# Altium PCB driver_io.PcbDoc (part 1 of 2) (continued)
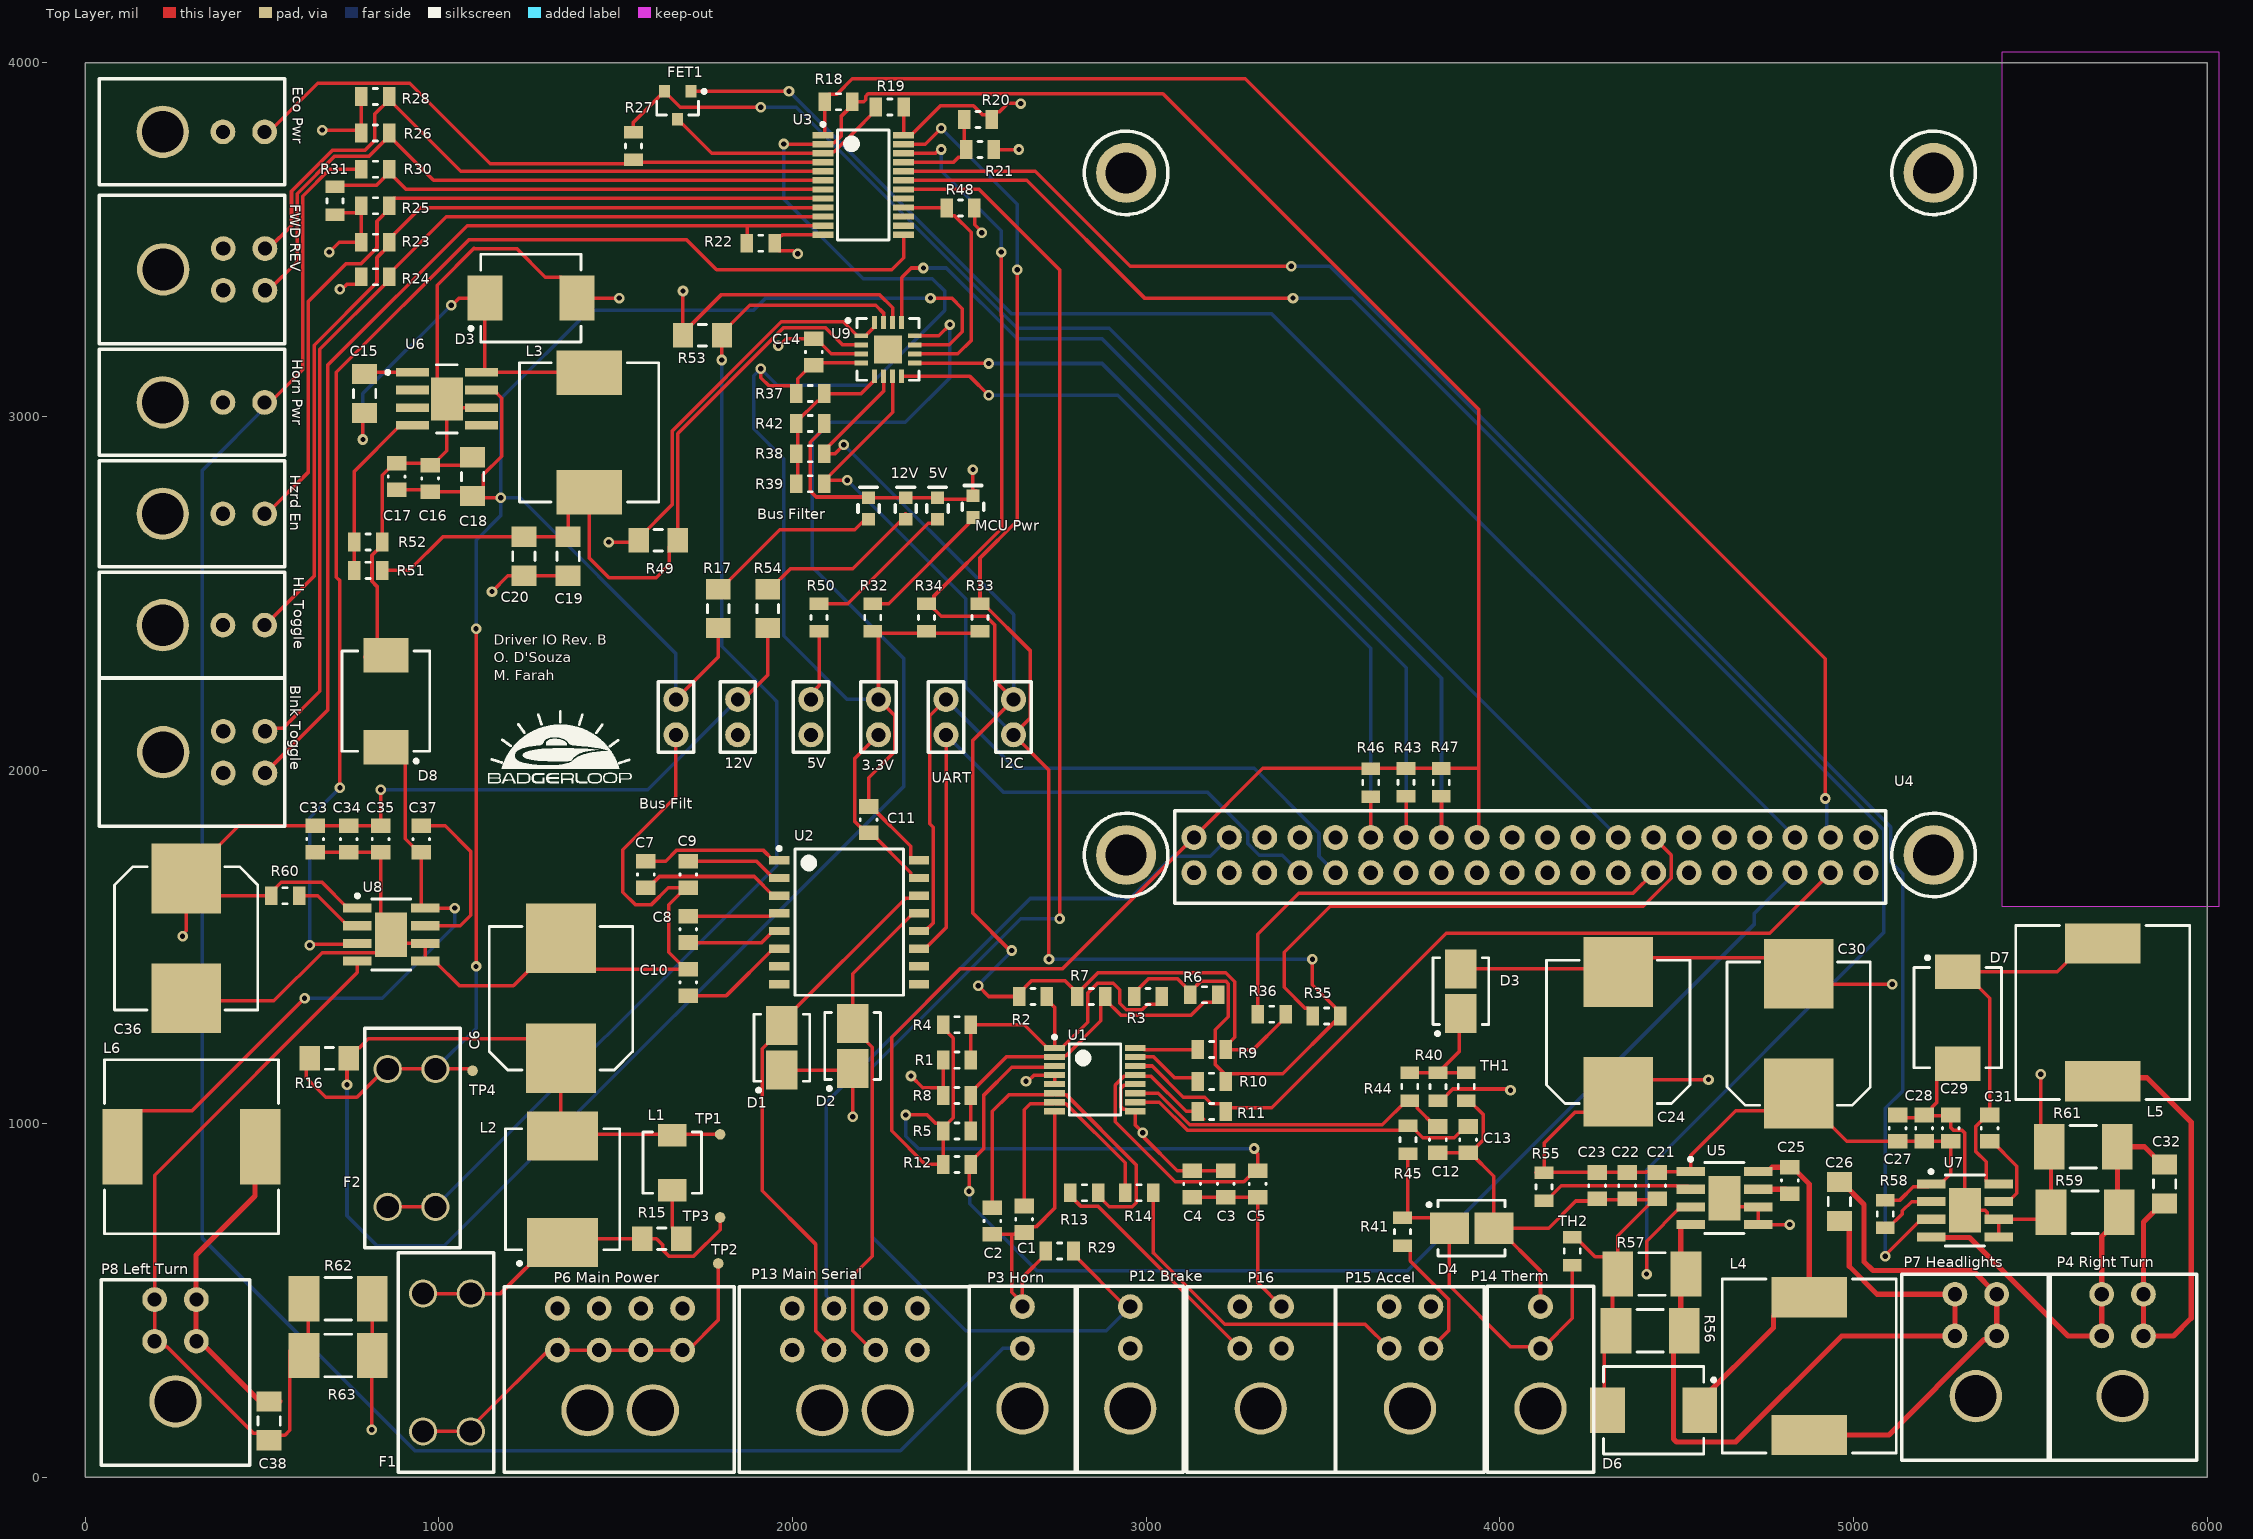
[diagram p0: Top Layer view]
## Part data (continued)
C7 C8: library part GRM219R71C104JA01D, "CAP CER 0.1UF 16V X7R 0805", Digi-Key Part Number=490-12557-1-ND, Manufacturer="Murata Electronics North America", Operating Temperature="-55°C ~ 125°C", Package / Case="0805 (2012 Metric)", Ratings=-, Temperature Coefficient=X7R, Tolerance=±5%, Voltage=16V, @ qty=0, Applications="General Purpose", Datasheets=-, Factory Stock=0, Features=-, Height - Seated (Max)=-, Image=//media.digikey.com/Renders/Murata%20Renders/0805%20(2012%20Metric)%20.85mm.jpg, Lead Spacing=-, Lead Style=-, Minimum Quantity=1, Mounting Type="Surface Mount, MLCC", Packaging="Cut Tape (CT)", Part Number=GRM219R71C104JA01D, Part Status=Active, Quantity Available=6635, Series=GRM, Size / Dimension="0.079\" L x 0.049\" W (2.00mm x 1.25mm)", Thickness (Max)="0.037\" (0.95mm)", Unit Price (USD)=0.12
C15 C18 C20: library part GRM3195C1H103JA01D, "CAP CER 10000PF 50V NP0 1206", Digi-Key Part Number=490-1754-1-ND, Manufacturer="Murata Electronics North America", Operating Temperature="-55°C ~ 125°C", Package / Case="1206 (3216 Metric)", Ratings=-, Temperature Coefficient="C0G, NP0", Tolerance=±5%, Voltage=50V, @ qty=0, Applications="General Purpose", Datasheets=http://www.murata.com/~/media/webrenewal/support/library/catalog/products/capacitor/mlcc/c02e.pdf, Factory Stock=0, Features=-, Height - Seated (Max)=-, Image=//media.digikey.com/Renders/Murata%20Renders/GR331BD72E473KW01L.jpg, Lead Spacing=-, Lead Style=-, Minimum Quantity=1, Mounting Type="Surface Mount, MLCC", Packaging="Cut Tape (CT)", Part Number=GRM3195C1H103JA01D, Part Status=Active, Quantity Available=32411, Series=GRM, Size / Dimension="0.126\" L x 0.063\" W (3.20mm x 1.60mm)", Thickness (Max)="0.037\" (0.95mm)", Unit Price (USD)=0.29
C16 C17: library part GCJ21BR71C475KA01L, "CAP CER 4.7UF 16V X7R 0805", Digi-Key Part Number=490-10557-1-ND, Manufacturer="Murata Electronics North America", Operating Temperature="-55°C ~ 125°C", Package / Case="0805 (2012 Metric)", Ratings=AEC-Q200, Temperature Coefficient=X7R, Tolerance=±10%, Voltage=16V, @ qty=0, Applications="Automotive, Boardflex Sensitive", Datasheets=http://www.murata.com/~/media/webrenewal/support/library/catalog/products/capacitor/mlcc/c03e.ashx, Factory Stock=0, Features="Soft Termination", Height - Seated (Max)=-, Image=//media.digikey.com/Renders/Murata%20Renders/0805%20(2012%20Metric)%20.85mm.jpg, Lead Spacing=-, Lead Style=-, Minimum Quantity=1, Mounting Type="Surface Mount, MLCC", Packaging="Cut Tape (CT)", Part Number=GCJ21BR71C475KA01L, Part Status=Active, Quantity Available=53217, Series=GCJ, Size / Dimension="0.079\" L x 0.049\" W (2.00mm x 1.25mm)", Thickness (Max)="0.057\" (1.45mm)", Unit Price (USD)=0.44
C19: library part GRM3195C1H333JA01D, "CAP CER 0.033UF 50V NP0 1206", Digi-Key Part Number=490-1763-1-ND, Manufacturer="Murata Electronics North America", Operating Temperature="-55°C ~ 125°C", Package / Case="1206 (3216 Metric)", Ratings=-, Temperature Coefficient="C0G, NP0", Tolerance=±5%, Voltage=50V, @ qty=0, Applications="General Purpose", Datasheets=http://www.murata.com/~/media/webrenewal/support/library/catalog/products/capacitor/mlcc/c02e.pdf, Factory Stock=0, Features=-, Height - Seated (Max)=-, Image=//media.digikey.com/Renders/Murata%20Renders/GR331BD72E473KW01L.jpg, Lead Spacing=-, Lead Style=-, Minimum Quantity=1, Mounting Type="Surface Mount, MLCC", Packaging="Cut Tape (CT)", Part Status=Active, Quantity Available=52578, Series=GRM, Size / Dimension="0.126\" L x 0.063\" W (3.20mm x 1.60mm)", Thickness (Max)="0.037\" (0.95mm)", Unit Price (USD)=0.33
C21 C22 C23 C27 C28 C29 C33 C34 C35: library part GRM21BC71C106KE11L, "CAP CER 10UF 16V X7S 0805", Digi-Key Part Number=490-12756-1-ND, Manufacturer="Murata Electronics North America", Operating Temperature="-55°C ~ 125°C", Package / Case="0805 (2012 Metric)", Ratings=-, Temperature Coefficient=X7S, Tolerance=±10%, Voltage=16V, @ qty=0, Applications="General Purpose", Datasheets=http://www.murata.com/~/media/webrenewal/support/library/catalog/products/capacitor/mlcc/c02e.pdf, Factory Stock=0, Features=-, Height - Seated (Max)=-, Image=//media.digikey.com/Renders/Murata%20Renders/0805%20(2012%20Metric)%20.85mm.jpg, Lead Spacing=-, Lead Style=-, Minimum Quantity=1, Mounting Type="Surface Mount, MLCC", Packaging="Cut Tape (CT)", Part Number=GRM21BC71C106KE11L, Part Status=Active, Quantity Available=6377, Series=GRM, Size / Dimension="0.079\" L x 0.049\" W (2.00mm x 1.25mm)", Thickness (Max)="0.057\" (1.45mm)", Unit Price (USD)=0.38
C24 C30 C36: "PANASONIC ELECTRONIC COMPONENTS         16SVPG47M             Electrolytic Capacitor, 47 F, 16 V, SVPG Series, Radial Can - SMD, -55 C", Capacitance=47uF, Case/Package=Radial, ESR (Equivalent Series Resistance)=25mR, Manufacturer=Panasonic, Max Operating Temperature=105°C, Min Operating Temperature=-55°C, Package Quantity=2500, Ripple Current=3.2A, Supplier Part Number 1=P18930CT-ND, Tolerance=20%, Voltage Rating=16V, ComponentLink1Description=http://industrial.panasonic.com/cdbs/www-data/pdf/AAB8000/AAB8000C175.pdf?src-supplier=Digi-Key, ComponentLink1URL=http://industrial.panasonic.com/cdbs/www-data/pdf/AAB8000/AAB8000C175.pdf?src-supplier=Digi-Key, ComponentLink2Description=http://industrial.panasonic.com/cdbs/www-data/pdf/AAB8000/AAB8000C175.pdf?src-supplier=Farnell, ComponentLink2URL=http://industrial.panasonic.com/cdbs/www-data/pdf/AAB8000/AAB8000C175.pdf?src-supplier=Farnell, ComponentLink3Description=https://industrial.panasonic.com/cdbs/www-data/pdf/AAB8000/AAB8000C175.pdf?src-supplier=Digi-Key, ComponentLink3URL=https://industrial.panasonic.com/cdbs/www-data/pdf/AAB8000/AAB8000C175.pdf?src-supplier=Digi-Key, ComponentLink4Description=http://www.farnell.com/datasheets/1950075.pdf?src-supplier=Element14, ComponentLink4URL=http://www.farnell.com/datasheets/1950075.pdf?src-supplier=Element14, ComponentLink5Description=http://industrial.panasonic.com/cdbs/www-data/pdf/AAB8000/AAB8000C175.pdf?src-supplier=Newark, ComponentLink5URL=http://industrial.panasonic.com/cdbs/www-data/pdf/AAB8000/AAB8000C175.pdf?src-supplier=Newark, Height - Seated (Max)=0.177inch, Life (Hours)=5000Hour, Mount="Surface Mount", Packaging="Cut Tape", Polarity=Polar, Pricing 1="1=1.26, 10=0.998, 100=0.7483, 500=0.56538, 1000=0.49887 (USD)", REACH SVHC="No SVHC", Stock 1=9541, Supplier 1=Digi-Key, Voltage Rating (DC)=16V
C25 C31 C37: library part GCD21BR71H104KA01L, "CAP CER 0.1UF 50V X7R 0805", Digi-Key Part Number=490-11955-1-ND, Manufacturer="Murata Electronics North America", Operating Temperature="-55°C ~ 125°C", Package / Case="0805 (2012 Metric)", Ratings=AEC-Q200, Temperature Coefficient=X7R, Tolerance=±10%, Voltage=50V, @ qty=0, Applications=Automotive, Datasheets=http://www.murata.com/~/media/webrenewal/support/library/catalog/products/capacitor/mlcc/c03e.ashx, Factory Stock=0, Features=-, Height - Seated (Max)=-, Image=//media.digikey.com/Renders/Murata%20Renders/0805%28GxM6%29.jpg, Lead Spacing=-, Lead Style=-, Minimum Quantity=1, Mounting Type="Surface Mount, MLCC", Packaging="Cut Tape (CT)", Part Number=GCD21BR71H104KA01L, Part Status=Active, Quantity Available=157, Series=GCD, Size / Dimension="0.079\" L x 0.049\" W (2.00mm x 1.25mm)", Thickness (Max)="0.049\" (1.25mm)", Unit Price (USD)=0.24
C26 C32 C38: library part GCM31CR71E475KA55K, "CAP CER 4.7UF 25V X7R 1206", Digi-Key Part Number=490-11168-1-ND, Manufacturer="Murata Electronics North America", Operating Temperature="-55°C ~ 125°C", Package / Case="1206 (3216 Metric)", Ratings=AEC-Q200, Temperature Coefficient=X7R, Tolerance=±10%, Voltage=25V, @ qty=0, Applications=Automotive, Datasheets=http://www.murata.com/~/media/webrenewal/support/library/catalog/products/capacitor/mlcc/c03e.ashx, Factory Stock=0, Features=-, Height - Seated (Max)=-, Image=//media.digikey.com/Renders/Murata%20Renders/GR331BD72E473KW01L.jpg, Lead Spacing=-, Lead Style=-, Minimum Quantity=1, Mounting Type="Surface Mount, MLCC", Packaging="Cut Tape (CT)", Part Number=GCM31CR71E475KA55K, Part Status=Active, Quantity Available=17973, Series=GCM, Size / Dimension="0.126\" L x 0.063\" W (3.20mm x 1.60mm)", Thickness (Max)="0.071\" (1.80mm)", Unit Price (USD)=0.34
D1 D2: "TVS DIODE 8V 13.6V DO214AA", Breakdown Voltage=8.89V, Case/Package=SMB, Clamping Voltage=13.6V, Leakage Current=100uA, Manufacturer=Littelfuse, Max Breakdown Voltage=9.83V, Max Operating Temperature=150°C, Max Power Dissipation=600W, Max Surge Current=44.2A, Min Operating Temperature=-65°C, Operating Supply Voltage=8V, Package Quantity=3000, Power Line Protection=No, Supplier Part Number 1=SMBJ8.0CALFCT-ND, Test Current=1mA, ComponentLink1Description=http://www.littelfuse.com/~/media/electronics/datasheets/tvs_diodes/littelfuse_tvs_diode_smbj_datasheet.pdf.pdf?src-supplier=Digi-Key, ComponentLink1URL=http://www.littelfuse.com/~/media/electronics/datasheets/tvs_diodes/littelfuse_tvs_diode_smbj_datasheet.pdf.pdf?src-supplier=Digi-Key, ComponentLink2Description=http://www.littelfuse.com/data/en/Data_Sheets/Littelfuse_TVS-Diode_SMBJ.pdf?src-supplier=Element14, ComponentLink2URL=http://www.littelfuse.com/data/en/Data_Sheets/Littelfuse_TVS-Diode_SMBJ.pdf?src-supplier=Element14, Composition=Zener, Direction=Bidirectional, Height=2.44mm, Lead Free="Lead Free", Length=5.59mm, Min Breakdown Voltage=8.89V, Mount="Surface Mount", Number of Bidirectional Channels=1, Number of Channels=1, Number of Elements=1, Number of Pins=2, Packaging="Tape and Reel", Peak Pulse Current=44.2A, Peak Pulse Power=600W, Polarity=Bidirectional, Power Dissipation=600W, Pricing 1="1=0.39, 10=0.313, 25=0.2864, 100=0.1798, 250=0.17784, 500=0.1665, 1000=0.11322 (USD)", REACH SVHC="No SVHC", Reverse Breakdown Voltage=8.89V, Reverse Standoff Voltage=8V, Stock 1=700, Supplier 1=Digi-Key, Termination=SMD/SMT, Voltage Rating (DC)=8V, Width=3.94mm
D3 D6 D7 D8: "Rectifier Diode, Schottky, 1 Phase, 1 Element, 5A, 40V V(RRM), Silicon, DO-214AB", Forward Voltage-Max (VF)=420mV, Manufacturer="Vishay Semiconductors", Max Operating Temperature=150°C, Max Output Current=5A, Min Operating Temperature=-65°C, Non-rep Pk Forward Current-Max=175A, Package Body Material=Plastic, Package Shape=Rectangular, Package Style="SMALL OUTLINEMeter", Peak Reflow Temperature (Cel)=260°C, Rep Pk Reverse Voltage-Max=40V, Supplier Part Number 1=34M8633, Time @ Peak Reflow Temperature-Max (s)=40s, Application(s)=EFFICIENCY, Category="Rectifier Diodes", ComponentLink1Description=https://datasheet.ciiva.com:443/pdfs/VipMasterIC/IC/VISH/VISH-S-A0001810219/VISH-S-A0001810219-1.pdf?src-supplier=IHS+Markit, ComponentLink1URL=https://datasheet.ciiva.com:443/pdfs/VipMasterIC/IC/VISH/VISH-S-A0001810219/VISH-S-A0001810219-1.pdf?src-supplier=IHS+Markit, ComponentLink2Description=https://datasheet.ciiva.com/25932/ssc53l-25932374.pdf?src-supplier=Avnet+Europe, ComponentLink2URL=https://datasheet.ciiva.com/25932/ssc53l-25932374.pdf?src-supplier=Avnet+Europe, ComponentLink3Description=https://datasheet.ciiva.com/13948/ssc53l-13948085.pdf?src-supplier=Digi-Key, ComponentLink3URL=https://datasheet.ciiva.com/13948/ssc53l-13948085.pdf?src-supplier=Digi-Key, ComponentLink4Description=https://datasheet.ciiva.com/13948/ssc53l-13948086.pdf?src-supplier=Digi-Key, ComponentLink4URL=https://datasheet.ciiva.com/13948/ssc53l-13948086.pdf?src-supplier=Digi-Key, ComponentLink5Description=https://datasheet.ciiva.com/16489/ssc53l-16489422.pdf?src-supplier=Future+Electronics, ComponentLink5URL=https://datasheet.ciiva.com/16489/ssc53l-16489422.pdf?src-supplier=Future+Electronics, Diode Element Material=SILICON, Diode Type=RECTIFIER, JEDEC-95 Code=DO-214AB, JESD-30 Code=R-PDSO-C2, JESD-609 Code=e3, Manufacturer Part Number=SSC54-E3/9AT, Moisture Sensitivity Level=1, Number of Elements=1, Number of Phases=1, Number of Pins=2, Pricing 1="1=0.66000, 10=0.53700, 25=0.49700, 50=0.45800, 100=0.41800, 250=0.38600, 500=0.35300 (USD)", Qualification Status="Not Qualified", REACH SVHC="No SVHC", RoHS=Yes, RoHS Compliant=Yes, Stock 1=4149, Supplier 1=Newark, Surface Mount=Yes, Technology=SCHOTTKY, Terminal Finish=Tin, Terminal Form="C BEND", Terminal Position=DUAL
D3 D4: "TVS DIODE 15V 24.4V DO214AA", Breakdown Voltage=16.7V, Case/Package=SMB, Clamping Voltage=24.4V, Current=68A, Leakage Current=1uA, Manufacturer=Littelfuse, Max Breakdown Voltage=18.5V, Max Operating Temperature=150°C, Max Power Dissipation=5W, Max Surge Current=24.6A, Min Operating Temperature=-65°C, Operating Supply Voltage=15V, Package Quantity=3000, Peak Pulse Power=600W, Power Line Protection=No, Supplier Part Number 1=SMBJ15ALFCT-ND, Test Current=1mA, Voltage=5V, ComponentLink1Description=https://datasheet.ciiva.com/34301/1078555-34301957.pdf?src-supplier=Jameco, ComponentLink1URL=https://datasheet.ciiva.com/34301/1078555-34301957.pdf?src-supplier=Jameco, ComponentLink2Description=https://datasheet.ciiva.com/25624/0900766b810f4eeb-25624826.pdf?src-supplier=RSComponents, ComponentLink2URL=https://datasheet.ciiva.com/25624/0900766b810f4eeb-25624826.pdf?src-supplier=RSComponents, ComponentLink3Description=https://datasheet.ciiva.com/46385/13057-46385079.pdf?src-supplier=Element14, ComponentLink3URL=https://datasheet.ciiva.com/46385/13057-46385079.pdf?src-supplier=Element14, ComponentLink4Description=https://datasheet.ciiva.com/331/littelfuse-tvs-diode-smbj-datasheet-pdf-331176.pdf?src-supplier=Digi-Key, ComponentLink4URL=https://datasheet.ciiva.com/331/littelfuse-tvs-diode-smbj-datasheet-pdf-331176.pdf?src-supplier=Digi-Key, ComponentLink5Description=https://datasheet.ciiva.com/331/littelfuse-tvs-diode-smbj-datasheet-pdf-331177.pdf?src-supplier=Digi-Key, ComponentLink5URL=https://datasheet.ciiva.com/331/littelfuse-tvs-diode-smbj-datasheet-pdf-331177.pdf?src-supplier=Digi-Key, ComponentLink6Description=https://datasheet.ciiva.com/331/littelfuse-tvs-diode-smbj-datasheet-pdf-331178.pdf?src-supplier=Digi-Key, ComponentLink6URL=https://datasheet.ciiva.com/331/littelfuse-tvs-diode-smbj-datasheet-pdf-331178.pdf?src-supplier=Digi-Key, ComponentLink7Description=https://datasheet.ciiva.com/25624/0900766b810f4eeb-25624712.pdf?src-supplier=RSComponents, ComponentLink7URL=https://datasheet.ciiva.com/25624/0900766b810f4eeb-25624712.pdf?src-supplier=RSComponents, ComponentLink8Description=https://datasheet.ciiva.com/34302/1546929-34302459.pdf?src-supplier=Jameco, ComponentLink8URL=https://datasheet.ciiva.com/34302/1546929-34302459.pdf?src-supplier=Jameco, ComponentLink9Description=https://datasheet.ciiva.com/46381/1677318-46381958.pdf?src-supplier=Element14, ComponentLink9URL=https://datasheet.ciiva.com/46381/1677318-46381958.pdf?src-supplier=Element14, ComponentLink10Description=https://datasheet.ciiva.com/331/littelfuse-tvs-diode-smbj-datasheet-pdf-331131.pdf?src-supplier=Digi-Key, ComponentLink10URL=https://datasheet.ciiva.com/331/littelfuse-tvs-diode-smbj-datasheet-pdf-331131.pdf?src-supplier=Digi-Key, ComponentLink11Description=https://datasheet.ciiva.com/331/littelfuse-tvs-diode-smbj-datasheet-pdf-331132.pdf?src-supplier=Digi-Key, ComponentLink11URL=https://datasheet.ciiva.com/331/littelfuse-tvs-diode-smbj-datasheet-pdf-331132.pdf?src-supplier=Digi-Key, ComponentLink12Description=https://datasheet.ciiva.com/331/littelfuse-tvs-diode-smbj-datasheet-pdf-331133.pdf?src-supplier=Digi-Key, ComponentLink12URL=https://datasheet.ciiva.com/331/littelfuse-tvs-diode-smbj-datasheet-pdf-331133.pdf?src-supplier=Digi-Key, Composition=Zener, Direction=Unidirectional, Element Configuration=Single, ESD Protection=Yes, Height=2.237mm, Lead Free="Lead Free", Length=4.57mm, Manufacturer Part Number=SMBJ15A, Max Reverse Leakage Current=1uA, Min Breakdown Voltage=16.7V, Mount="Surface Mount", Number of Channels=1, Number of Elements=1, Number of Pins=2, Number of Unidirectional Channels=1, Packaging="Tape and Reel", Peak Pulse Current=24.6A, Polarity=Unidirectional, Power Dissipation=600W, Pricing 1="1=0.45000, 10=0.33900, 25=0.30520, 100=0.21090, 250=0.17760, 500=0.14430, 1000=0.11100 (USD)", Pricing 2="1=0.35000, 10=0.28700, 25=0.26240, 100=0.19540, 250=0.17704, 500=0.14652, 1000=0.10989 (USD)", Radiation Hardening=No, REACH SVHC=Unknown, Reverse Breakdown Voltage=16.7V, Reverse Standoff Voltage=15V, RoHS=Yes, Stock 1=73945, Stock 2=69911, Supplier 1=Digi-Key, Supplier 2=Digi-Key, Supplier Part Number 2=SMBJ5.0ALFCT-ND, Termination=SMD/SMT, Voltage Rating (DC)=15V, Width=3.94mm
"Eco Pwr" "HL Toggle" "Horn Pwr" "Hzrd En" "P3 Horn" "P12 Brake" "P14 Therm": "CONN HEADER R/A 2POS", Case/Package=SMC, Color=Black, Contact Resistance=10mR, Current Rating=5A, Flammability Rating="UL94 V-0", Insulation Resistance=1GR, Manufacturer=Molex, Max Operating Temperature=105°C, Max Voltage Rating (DC)=250.25kV, Min Operating Temperature=-40°C, Package Quantity=3168, Voltage Rating=600V, Voltage Rating (DC)=250V, Approvals=UL,CSA,TUV, ComponentLink1Description=https://datasheet.ciiva.com/14155/04402310-14155203.pdf?src-supplier=Distrelec, ComponentLink1URL=https://datasheet.ciiva.com/14155/04402310-14155203.pdf?src-supplier=Distrelec, ComponentLink2Description=https://datasheet.ciiva.com/19454/883270-19454006.pdf?src-supplier=Jameco, ComponentLink2URL=https://datasheet.ciiva.com/19454/883270-19454006.pdf?src-supplier=Jameco, ComponentLink3Description=https://datasheet.ciiva.com/5150/0430450200-pcb-headers-145770-5150407.pdf?src-supplier=Mouser, ComponentLink3URL=https://datasheet.ciiva.com/5150/0430450200-pcb-headers-145770-5150407.pdf?src-supplier=Mouser, ComponentLink4Description=https://datasheet.ciiva.com/11747/0900766b80027348-11747001.pdf?src-supplier=RSComponents, ComponentLink4URL=https://datasheet.ciiva.com/11747/0900766b80027348-11747001.pdf?src-supplier=RSComponents, ComponentLink5Description=https://datasheet.ciiva.com/16656/0430450200-pcb-headers-16656330.pdf?src-supplier=Avnet+Europe, ComponentLink5URL=https://datasheet.ciiva.com/16656/0430450200-pcb-headers-16656330.pdf?src-supplier=Avnet+Europe, ComponentLink6Description=https://datasheet.ciiva.com/10090/0430450200-pcb-headers-10090299.pdf?src-supplier=Avnet, ComponentLink6URL=https://datasheet.ciiva.com/10090/0430450200-pcb-headers-10090299.pdf?src-supplier=Avnet, ComponentLink7Description=https://datasheet.ciiva.com/36854/124280430450200-pcb-headers-36854331.pdf?src-supplier=Onlinecomponents.com, ComponentLink7URL=https://datasheet.ciiva.com/36854/124280430450200-pcb-headers-36854331.pdf?src-supplier=Onlinecomponents.com, ComponentLink8Description=https://datasheet.ciiva.com/1443/1859921-1443437.pdf?src-supplier=Element14, ComponentLink8URL=https://datasheet.ciiva.com/1443/1859921-1443437.pdf?src-supplier=Element14, Contact Gender=Male, Contact Material=Brass,Tin, Contact Plating=Tin, Diameter=3mm, Gender=Male, Glow Wire Compliant=Compliant, Halogen Free="Low Halogen", Housing Color=Black, Housing Material=Thermoplastic, Lead Free="Lead Free", Manufacturer Part Number=43045-0200, Material=Thermoplastic, Mount="Through Hole", Number of Circuits=2, Number of Contacts=2, Number of Positions=2, Number of Rows=2, Orientation="Right Angle", Packaging=Tray, Pitch=3mm, Pricing 1="1=0.97000, 10=0.84900, 100=0.73280, 500=0.59958, 1000=0.53296, 5000=0.46634, 10000=0.44302 (USD)", Radiation Hardening=No, REACH SVHC=Unknown, RoHS=Yes, Row Spacing=3mm, Stock 1=6320, Supplier 1=Digi-Key, Termination="Through Hole"
F1 F2: "FUSE HOLDER MINI AUTO PC", Color=Black, Current Rating=20A, Flammability Rating="UL94 V-0", Manufacturer="Keystone Electronics", Max Operating Temperature=145°C, Min Operating Temperature=-50°C, Package Quantity=1, Supplier Part Number 1=3568K-ND, Voltage=500V, Approvals=UL, Body Material=Nylon, ComponentLink1Description=http://www.keyelco.com/userAssets/file/M60-2p40.pdf?src-supplier=Future+Electronics, ComponentLink1URL=http://www.keyelco.com/userAssets/file/M60-2p40.pdf?src-supplier=Future+Electronics, ComponentLink2Description=https://www.alliedelec.com/m/d/15b4f09b8ba48c4b08efedd730709c21.pdf?src-supplier=Allied+Electronics, ComponentLink2URL=https://www.alliedelec.com/m/d/15b4f09b8ba48c4b08efedd730709c21.pdf?src-supplier=Allied+Electronics, Contact Material=Brass,Tin, Contact Plating=Tin, Depth=6.73mm, Fuse Current=20A, Fuse Type=Automotive, Illumination Type=Illuminated, Lead Free="Lead Free", Length=16mm, Manufacturer Part Number=3568, Material=Brass,Tin,Nylon, Mount=PCB,Vertical, Number of Circuits=1, Number of Poles=1, Orientation=Vertical, REACH SVHC="No SVHC", Stock 1=0, Supplier 1=Digi-Key, Termination="PC Pin", Voltage Rating (AC)=500V
FET1: "MOSFET N-CH 60V 200MA SOT23-3", Manufacturer=Zetex, Manufacturer P/N=ZVN4106FTA, Digikey P/N=ZVN4106FCT-ND
L1: "Ind Chip Power Metal Compound 0.1uH 20% 2-Pin SMD T/R", Inductance="100 nH", Manufacturer=Sumida, Saturation Current="8.2 A", Supplier Part Number 1=308-2523-6-ND, ComponentLink1Description=https://products.sumida.com/products/pdf/0410CDMCCDS%20(en).pdf?src-supplier=Digi-Key, ComponentLink1URL=https://products.sumida.com/products/pdf/0410CDMCCDS%20(en).pdf?src-supplier=Digi-Key, Manufacturer Part Number=0410CDMCCDS-R10MC, Pricing 1="1=0.93, 10=0.817, 100=0.5836, 500=0.49024, 1000=0.39687 (USD)", Stock 1=5971, Supplier 1=Digi-Key
L2: "Fixed Inductors 1uH 20% Low Profile", Case/Package=3232, Current Rating=18.2A, DC Resistance (DCR)=4.63mR, Inductance=1uH, Inductance Tolerance=20%, Manufacturer="Vishay Dale", Max Operating Temperature=125°C, Min Operating Temperature=-55°C, Package Quantity=500, Saturation Current=12A, Self Resonant Frequency=49MHz, Supplier Part Number 1=541-1348-1-ND, Test Frequency=100kHz, ComponentLink1Description=https://datasheet.ciiva.com/6692/ihlp-3232dz-11-6692199.pdf?src-supplier=Digi-Key, ComponentLink1URL=https://datasheet.ciiva.com/6692/ihlp-3232dz-11-6692199.pdf?src-supplier=Digi-Key, ComponentLink2Description=https://datasheet.ciiva.com/6692/ihlp-3232dz-11-6692200.pdf?src-supplier=Digi-Key, ComponentLink2URL=https://datasheet.ciiva.com/6692/ihlp-3232dz-11-6692200.pdf?src-supplier=Digi-Key, ComponentLink3Description=https://datasheet.ciiva.com/6692/ihlp-3232dz-11-6692201.pdf?src-supplier=Digi-Key, ComponentLink3URL=https://datasheet.ciiva.com/6692/ihlp-3232dz-11-6692201.pdf?src-supplier=Digi-Key, ComponentLink4Description=https://datasheet.ciiva.com/17113/70231623-17113262.pdf?src-supplier=Allied+Electronics, ComponentLink4URL=https://datasheet.ciiva.com/17113/70231623-17113262.pdf?src-supplier=Allied+Electronics, Core Material=Metal,Composite,Ferrite, Depth=8.94mm, Height=4mm, Height - Seated (Max)=0.157inch, Lead Free="Lead Free", Length=8.64mm, Manufacturer Part Number=IHLP3232DZER1R0M11, Max DC Current=18.2A, Military Standard=Not, Mount="Surface Mount", Number of Pins=2, Packaging="Tape and Reel", Pricing 1="1=1.61000, 10=1.49500, 100=1.08100 (USD)", Radiation Hardening=No, REACH SVHC=Unknown, RMS Current (Irms)=18.2A, RoHS=Yes, Shielding=Shielded, Stock 1=9463, Supplier 1=Digi-Key, Termination=SMD/SMT, Tolerance=20%, Width=0.322inch
L3: "FIXED IND 15UH 3.2A 50 MOHM SMD", Case/Package=Nonstandard, Current Rating=3.2A, DC Resistance (DCR)=50mR, Inductance=15uH, Inductance Tolerance=30%, Manufacturer="Wurth Electronics", Max Operating Temperature=125°C, Min Operating Temperature=-40°C, Package Quantity=800, Saturation Current=3.25A, Self Resonant Frequency=16MHz, Supplier Part Number 1=732-1077-1-ND, Test Frequency=100kHz, ComponentLink1Description=https://datasheet.ciiva.com/1051/744066150-1051985.pdf?src-supplier=Digi-Key, ComponentLink1URL=https://datasheet.ciiva.com/1051/744066150-1051985.pdf?src-supplier=Digi-Key, ComponentLink2Description=https://datasheet.ciiva.com/7892/1735619-7892648.pdf?src-supplier=Element14, ComponentLink2URL=https://datasheet.ciiva.com/7892/1735619-7892648.pdf?src-supplier=Element14, ComponentLink3Description=https://datasheet.ciiva.com/11803/0900766b80febc54-11803273.pdf?src-supplier=RSComponents, ComponentLink3URL=https://datasheet.ciiva.com/11803/0900766b80febc54-11803273.pdf?src-supplier=RSComponents, ComponentLink4Description=https://datasheet.ciiva.com/13320/744066150-67363-13320654.pdf?src-supplier=Mouser, ComponentLink4URL=https://datasheet.ciiva.com/13320/744066150-67363-13320654.pdf?src-supplier=Mouser, ComponentLink5Description=https://datasheet.ciiva.com/1051/744066150-1051986.pdf?src-supplier=Digi-Key, ComponentLink5URL=https://datasheet.ciiva.com/1051/744066150-1051986.pdf?src-supplier=Digi-Key, ComponentLink6Description=https://datasheet.ciiva.com/1051/744066150-1051987.pdf?src-supplier=Digi-Key, ComponentLink6URL=https://datasheet.ciiva.com/1051/744066150-1051987.pdf?src-supplier=Digi-Key, ComponentLink7Description=https://datasheet.ciiva.com/14123/744066150-ch-ger-eng-ds-14123723.pdf?src-supplier=Distrelec, ComponentLink7URL=https://datasheet.ciiva.com/14123/744066150-ch-ger-eng-ds-14123723.pdf?src-supplier=Distrelec, Composition=Wirewound, Core Material=Ferrite, Depth=10mm, Height=3.8mm, Height - Seated (Max)=0.161inch, Lead Free="Lead Free", Length=10mm, Manufacturer Part Number=744066150, Max DC Current=3.2A, Mount="Surface Mount", Packaging="Cut Tape", Pricing 1="1=1.94000, 10=1.88200, 50=1.64600, 100=1.50500 (USD)", REACH SVHC=Unknown, RMS Current (Irms)=3.2A, RoHS=Yes, Series Resistance=50mR, Shielding=Shielded, Stock 1=1755, Supplier 1=Digi-Key, Termination=SMD/SMT, Tolerance=30%, Weight=0.044904oz, Width=10mm
L4 L5 L6: library part CMP-0227-00696-1, "SMD-Shielded Power Inductor WE-PD, L = 15.0 µH", Inductance="15.0 ÂµH", ComponentLink1Description="Manufacturer Link", ComponentLink1URL=http://www.we-online.com, ComponentLink2Description=Datasheet, ComponentLink2URL=http://www.we-online.de/katalog/media/pdf/744771115.pdf, DatasheetVersion="ver 6, Jun-2005", PackageDescription="SMD Inductor, 2-Leads, Body 12.0 x 12.0 mm", PackageReference=WE-PD-L, PackageVersion=2006
"P4 Right Turn" "P7 Headlights" "P8 Left Turn": "Male connector dual row 90° 3 mm Pole no. 2x2 Micro-Fit, 43045-0400, Molex", Color=Black, Contact Resistance=10mR, Flammability Rating="UL94 V-0", Manufacturer=Molex, Max Operating Temperature=105°C, Max Voltage Rating (AC)=250V, Min Operating Temperature=-40°C, Supplier Part Number 1=WM1814-ND, ComponentLink1Description=https://datasheet.ciiva.com/712/430450200-sd-712017.pdf?src-supplier=Digi-Key, ComponentLink1URL=https://datasheet.ciiva.com/712/430450200-sd-712017.pdf?src-supplier=Digi-Key, ComponentLink2Description=https://datasheet.ciiva.com/20209/22-3744e-20209522.pdf?src-supplier=Rapid+Electronics, ComponentLink2URL=https://datasheet.ciiva.com/20209/22-3744e-20209522.pdf?src-supplier=Rapid+Electronics, ComponentLink3Description=https://datasheet.ciiva.com/11746/0900766b80027348-11746988.pdf?src-supplier=RSComponents, ComponentLink3URL=https://datasheet.ciiva.com/11746/0900766b80027348-11746988.pdf?src-supplier=RSComponents, ComponentLink4Description=https://datasheet.ciiva.com/30193/145420430450400-pcb-headers-30193310.pdf?src-supplier=Onlinecomponents.com, ComponentLink4URL=https://datasheet.ciiva.com/30193/145420430450400-pcb-headers-30193310.pdf?src-supplier=Onlinecomponents.com, Connector Type="Male Pin", Contact Material=Brass, Contact Plating=Tin, Depth=12.2mm, Fastening Type=Ramp, Housing Color=Black, Housing Material=Polymer, Length=10.15mm, Manufacturer Part Number=43045-0400, Mount="Through Hole", Number of Contacts=4, Number of Positions=4, Number of Rows=2, Orientation="Right Angle", Packaging=Tray, Pitch=3mm, Pricing 1="1=1.33000, 10=1.16700, 100=1.00670, 500=0.82368, 1000=0.73216, 5000=0.64064, 10000=0.60861 (USD)", RoHS=Yes, Row Spacing=0.118inch, Stock 1=5904, Supplier 1=Digi-Key, Termination=Solder
"P6 Main Power" "P13 Main Serial": "CONN HEADER R/A 8POS 3MM", Case/Package=SMC, Color=Black, Contact Resistance=10mR, Current Rating=5A, Flammability Rating="UL94 V-0", Insulation Resistance=1GR, Manufacturer=Molex, Max Operating Temperature=105°C, Max Voltage Rating (DC)=250.25kV, Min Operating Temperature=-40°C, Package Quantity=1440, Voltage Rating=600V, Voltage Rating (AC)=250V, Approvals=UL,CSA,TUV, ComponentLink1Description=https://datasheet.ciiva.com/5158/0430450800-pcb-headers-142625-5158817.pdf?src-supplier=Mouser, ComponentLink1URL=https://datasheet.ciiva.com/5158/0430450800-pcb-headers-142625-5158817.pdf?src-supplier=Mouser, ComponentLink2Description=https://datasheet.ciiva.com/7683/27645-7683683.pdf?src-supplier=Element14, ComponentLink2URL=https://datasheet.ciiva.com/7683/27645-7683683.pdf?src-supplier=Element14, ComponentLink3Description=https://datasheet.ciiva.com/19462/883536-19462164.pdf?src-supplier=Jameco, ComponentLink3URL=https://datasheet.ciiva.com/19462/883536-19462164.pdf?src-supplier=Jameco, ComponentLink4Description=https://datasheet.ciiva.com/11751/0900766b80027348-11751142.pdf?src-supplier=RSComponents, ComponentLink4URL=https://datasheet.ciiva.com/11751/0900766b80027348-11751142.pdf?src-supplier=RSComponents, ComponentLink5Description=https://datasheet.ciiva.com/30198/267770430450800-pcb-headers-30198875.pdf?src-supplier=Onlinecomponents.com, ComponentLink5URL=https://datasheet.ciiva.com/30198/267770430450800-pcb-headers-30198875.pdf?src-supplier=Onlinecomponents.com, ComponentLink6Description=https://datasheet.ciiva.com/1443/1850016-1443537.pdf?src-supplier=Element14, ComponentLink6URL=https://datasheet.ciiva.com/1443/1850016-1443537.pdf?src-supplier=Element14, ComponentLink7Description=https://datasheet.ciiva.com/14155/04402310-14155206.pdf?src-supplier=Distrelec, ComponentLink7URL=https://datasheet.ciiva.com/14155/04402310-14155206.pdf?src-supplier=Distrelec, ComponentLink8Description=https://datasheet.ciiva.com/16657/0430450800-pcb-headers-16657964.pdf?src-supplier=Avnet+Europe, ComponentLink8URL=https://datasheet.ciiva.com/16657/0430450800-pcb-headers-16657964.pdf?src-supplier=Avnet+Europe, ComponentLink9Description=https://datasheet.ciiva.com/10087/0430450800-pcb-headers-10087853.pdf?src-supplier=Avnet, ComponentLink9URL=https://datasheet.ciiva.com/10087/0430450800-pcb-headers-10087853.pdf?src-supplier=Avnet, Contact Material=Brass,Tin, Contact Plating=Tin, Depth=12.2mm, Diameter=3mm, Gender=Male, Glow Wire Compliant=Compliant, Halogen Free="Low Halogen", Height=8.77mm, Housing Color=Black, Housing Material=Thermoplastic, Lead Free="Lead Free", Length=16.15mm, Manufacturer Part Number=43045-0800, Material=Polyester, Max Current Rating=5A, Mount="Through Hole", Number of Circuits=8, Number of Contacts=8, Number of Poles=8, Number of Positions=8, Number of Rows=2, Orientation="Right Angle", Packaging=Tray, Pitch=3mm, Pricing 1="1=1.91000, 10=1.73100, 100=1.48390, 500=1.23656, 1000=1.05990, 5000=0.93978, 10000=0.91858 (USD)", Radiation Hardening=No, REACH SVHC=Unknown, RoHS=Yes, Row Spacing=3mm, Stock 1=2632, Supplier 1=Digi-Key, Termination=Solder, Voltage Rating (DC)=250V, Working Voltage=250V